# Altium PCB 2015_FDP_PCB.PcbDoc (part 2 of 3)
Units mil, origin at the board's own origin, x right, y up, seen from the top; angles counter-clockwise.
Board outline 4330.71 x 8858.27 mil, 4 copper layers (1-TOP, 2-GND, 3-SIGNAL, 4-BOT); 297 components, 233 nets, 1163 pads, 448 vias.
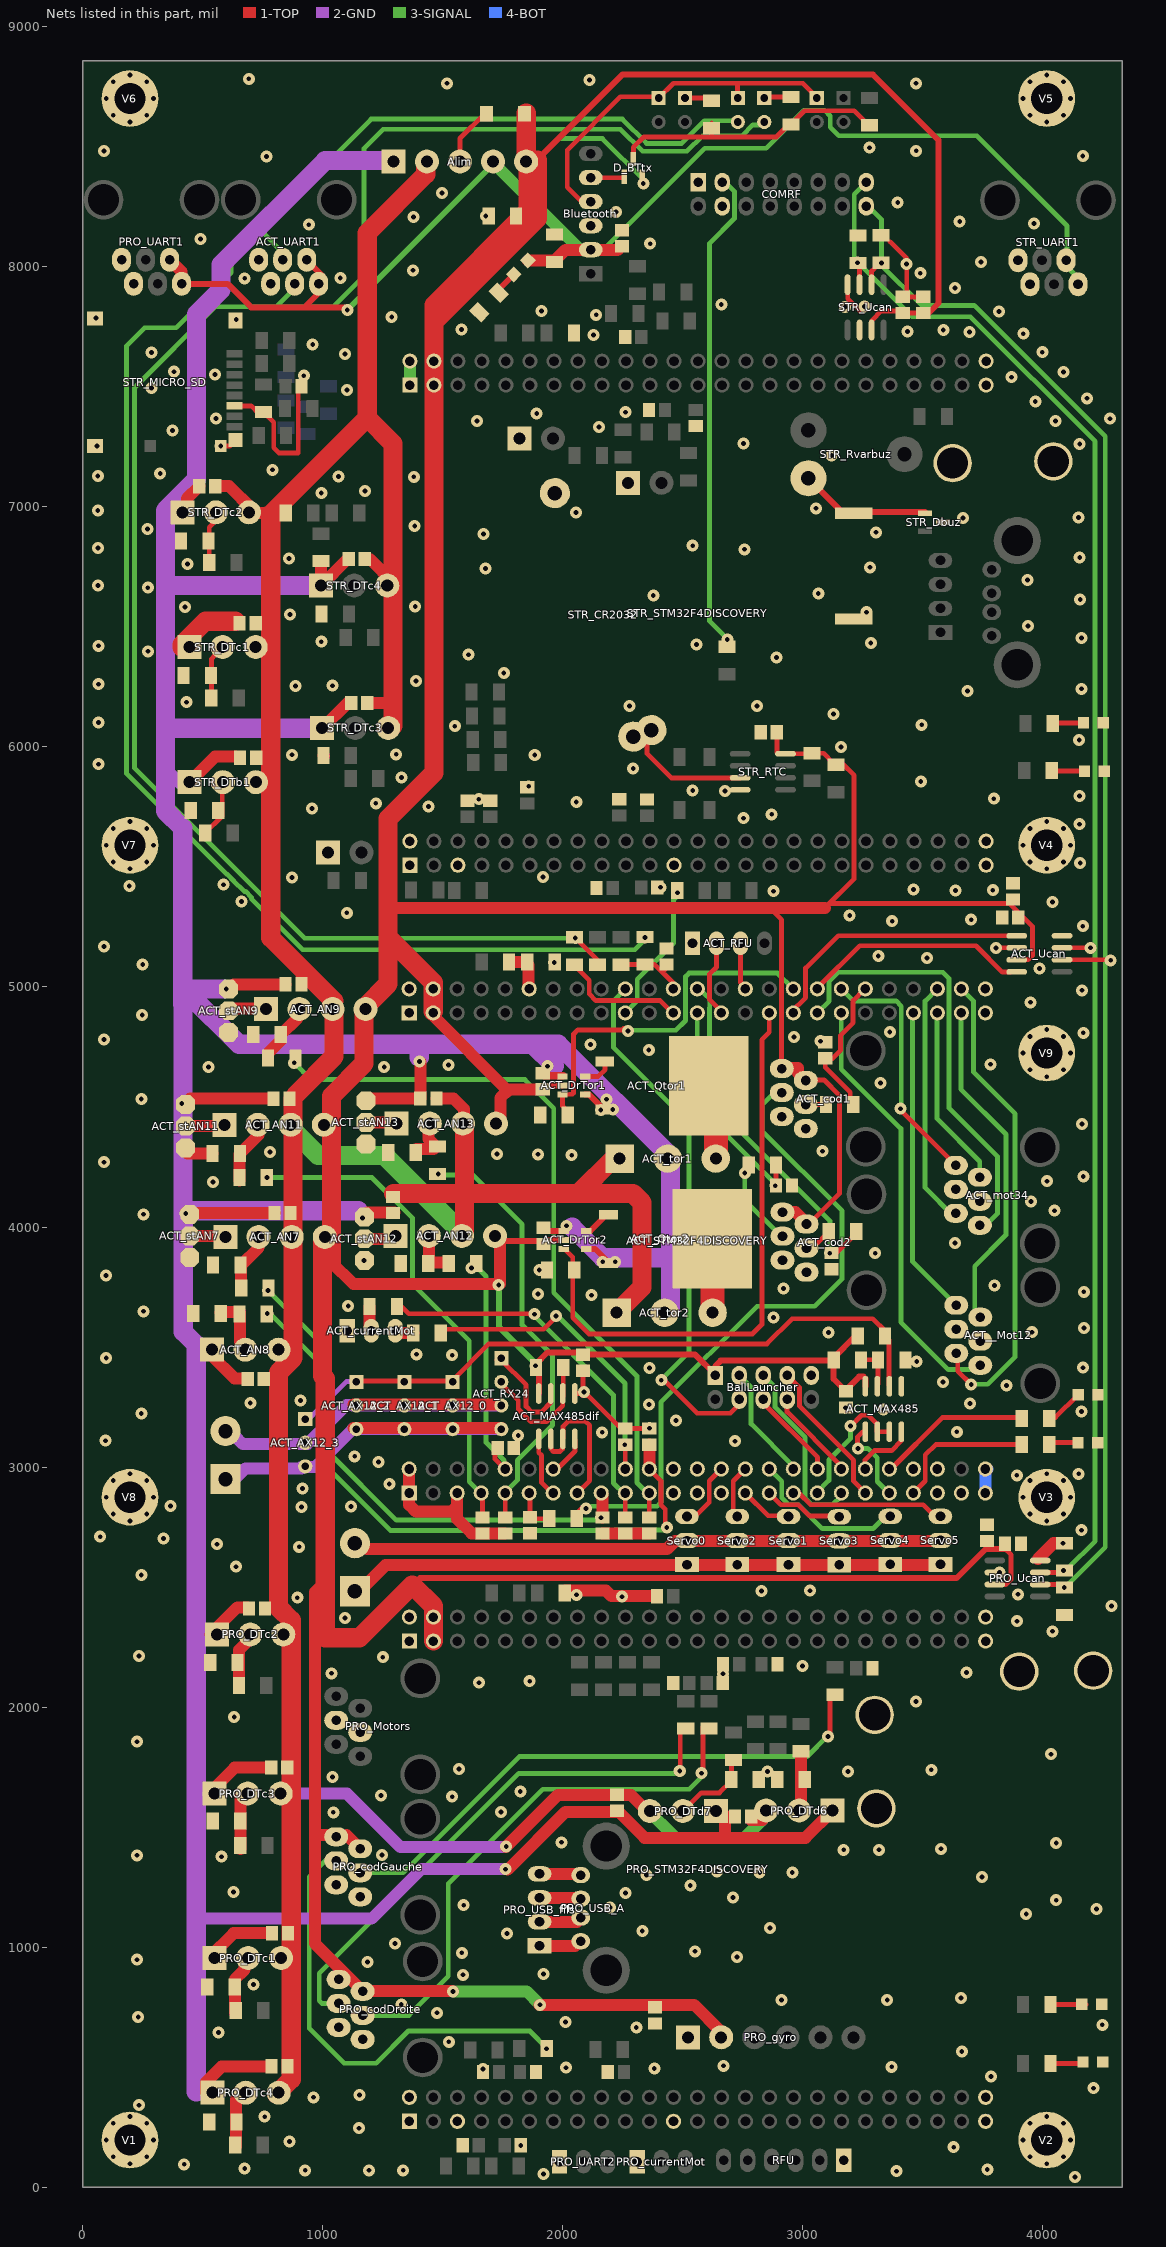
[diagram p4: the nets of this part, all layers, seen from the top]

## Via types
v1: diameter 50, hole 20, 1-TOP to 4-BOT, 448 vias

## Nets (pads, with @x,y where several pads share a name; then routed paths per layer and width w, separated by ;. In a path a pad name is that pad's centre, name@x,y a point inside that pad or via, vN(x,y) a via of type N, cw(c..) or ccw(c..) an arc to the next point about the centre after c; other vN are vias at no path point) (continued)
5V: ACT_AN7.4 ACT_AN9.4 ACT_AN11.4 ACT_AN12.4 ACT_AN13.4 ACT_CdCan1.2 ACT_CdCan2.2 ACT_CdDrTor1.1 ACT_CdDrTor2.1 ACT_CdMax485.2 ACT_CdMax485dif.2 ACT_cod1.1 ACT_cod1.2 ACT_cod2.1 ACT_cod2.2 ACT_DrTor1.2 ACT_DrTor2.2 ACT_MAX485.8 ACT_MAX485dif.8 ACT_Rmax485B+.2 ACT_RpuMAX485.2 ACT_RpuMax485dif.2 ACT_STM32F4DISCOVERY.53 ACT_STM32F4DISCOVERY.54 ACT_Ucan.3 Alim.5 BallLauncher.1 Cd_5V.2 D_BTtx.2 Dtransil.2 PRO_CdCan1.2 PRO_CdCan2.2 PRO_CdGyro.2 PRO_codDroite.1 PRO_codDroite.2 PRO_codGauche.1 PRO_codGauche.2 PRO_gyro.2 PRO_STM32F4DISCOVERY.53 PRO_STM32F4DISCOVERY.54 PRO_Ucan.3 STR_Cd_RTC.1 STR_CdCan1.2 STR_CdCan2.2 STR_Rscl.2 STR_Rsda.2 STR_RTC.8 STR_STM32F4DISCOVERY.53 STR_STM32F4DISCOVERY.54 STR_Ucan.3 | length 28483.8
  1-TOP w20: 2861,5329 2911,5279 2911,4662 ACT_cod1.1@2911,4661 ; STR_RTC.8@2891.46,5975.54 STR_Cd_RTC.1@2891.46,6061 ; STR_RTC.8@2927.49,5971 STR_Rscl.2@3033,5971 ; ACT_cod1.2@3008,4618 ACT_cod1.2@3011.5,4621.5 ; ACT_cod1.2@3010,4612.39 3088.61,4612.39 3152,4549 3152,4139 3031,4018 ACT_cod2.2@3027,4014 ; STR_Rscl.2@3038,5973.09 3085.91,5973.09 STR_Rsda.2@3127,5932 ; STR_Rsda.2@3165,5929 3213,5881 3213,5450 3092,5329 3111,5348 3860,5348 3956,5252 3956,5131 3939,5114 ACT_Ucan.3@3918,5114 ; STR_Ucan.3@3288,7777 3327,7816 3389,7816 3397.46,7807.54 STR_CdCan1.2@3416,7807.54 STR_CdCan2.2@3501,7807.54 ; PRO_Ucan.3@3803,2510 3845,2510 3867,2532 3867,2634 PRO_CdCan1.2@3837,2664
  1-TOP w25: 1372,2508 1374,2508 ; 1376,2508 1405,2537 3640,2537 3762,2659 PRO_CdCan1.2@3846,2659 ; ACT_AN12.4@1743,3941 1937,3941 1942,3946 ACT_DrTor2.2@2003.76,3946 ; ACT_RpuMax485dif.2@1891,3433 1936,3478 2074.46,3478 ACT_CdMax485dif.2@2084,3468.46 2551.54,3468.46 BallLauncher.1@2630,3390 ; Alim.5@1893,8445 2248,8800 3292,8800 3565,8527 3565,7848 STR_CdCan2.2@3521,7804 ; ACT_MAX485dif.8@1900,3306.49 ACT_RpuMax485dif.2@1900,3418 ; ACT_CdDrTor1.1@1933,4573 1950.01,4590.01 ACT_DrTor1.2@1998.76,4590.01 ; BallLauncher.1@2635,3382 2635,3421 2657,3443 ACT_Rmax485B+.2@3127.91,3443 ; ACT_Rmax485B+.2@3127.91,3450.91 ACT_Rmax485B+.2@3127.91,3447 ; ACT_CdMax485.2@3180,3315 3127.91,3367.09 ACT_Rmax485B+.2@3127.91,3443 ; ACT_CdMax485.2@3184,3327 3234,3377 3252,3377 3260,3369 ACT_MAX485.8@3260,3336.49 ; ACT_RpuMAX485.2@3219,3547 3127.91,3455.91 ACT_Rmax485B+.2@3127.91,3447 ; ACT_Rmax485B+.2@3127.91,3443 ACT_Rmax485B+.2@3127.91,3447
  1-TOP w50: 981,1467 PRO_codGauche.1@1056,1467 ; 1004,2516 967,2479 967,1015.39 PRO_codDroite.2@1166,816.39 1167.61,818 v1@1541,818 ; 1036,3854 1127,3763 1739,3763 ACT_AN12.4@1739,3960 ; PRO_codGauche.1@1099.39,1467 PRO_codGauche.2@1156,1410.39 ; 1272,5329 2861,5329 3092,5329 ; ACT_STM32F4DISCOVERY.53@1455.5,4884.48 1770.02,4568.02 ; ACT_AN13.4@1740,4431 1740,4538 1770.02,4568.02 ; 1774,4572 1770.02,4568.02 ; v1@1903,760 v1(1905,760) 2547,760 PRO_gyro.2@2661,646 ; ACT_CdDrTor1.1@1916.13,4573.87 1783.13,4573.87 1771.53,4566.49 1770.02,4568.02 ; ACT_cod1.1@2911,4662 2980,4662 ACT_cod1.2@2980,4642 ; ACT_cod2.1@2915,4062 2970,4062 3014,4018 ACT_cod2.2@3031,4018 ; ACT_cod1.2@3008,4614 ACT_cod1.2@3010,4614
  1-TOP w80: ACT_AN7.4@999.01,3960 999.01,3379.01 1010,3368.02 1010,2289 1153,2289 1372,2508 ; 1036,3854 1036,4545 1172.01,4681.01 1172.01,4911.01 ACT_AN9.4@1179.99,4911.01 ; ACT_AN9.4@1178,4918 1272,5012 ; 1374,2508 1461,2421 PRO_STM32F4DISCOVERY.54@1461,2375 PRO_STM32F4DISCOVERY.53@1461,2275 ; ACT_STM32F4DISCOVERY.53@1460,4899 ACT_STM32F4DISCOVERY.54@1460,4992 1460,5019 1272,5207 1272,5012 ; 1463,7771 1893,8201 Alim.5@1893,8445 ; Alim.5@1847.18,8438 Dtransil.2@1847.18,8640.18 ; Alim.5@1855,8400 1855,8232 1463,7840 STR_STM32F4DISCOVERY.54@1463,7607 STR_STM32F4DISCOVERY.53@1463,7507 1463,5892 1272,5701 1272,5329 1272,5012
  3-SIGNAL w20: Alim.5@1880,8439 1885,8439 1980,8534 2165,8534 v1@2337,8362
  3-SIGNAL w25: v1@1735,3755 1735,3583 v1@1887,3431
  3-SIGNAL w50: v1(1543,816) 1849,816 v1(1905,760)
  other v1: 1886,3422 1733,3758 2335,8347
5V_PERM: ACT_UART1.1 ACT_UART1.2 Alim.4 Bluetooth.2 Cd_BT_1.2 Cd_BT_2.2 D_5Vp.1 PRO_UART1.1 PRO_UART1.2 STR_UART1.1 STR_UART1.2 | length 5525.4
  1-TOP w25: PRO_UART1.1@412,7929 604,7929 702,7831 924,7831 ; ACT_UART1.2@941,8019 998,7962 998,7905 924,7831 ; v1@1101,7831 924,7831
  1-TOP w50: PRO_UART1.2@362.39,8029 412,7979.39 PRO_UART1.1@412,7929 ; D_5Vp.1@1854.23,8026.23 Cd_BT_1.2@1951.77,8026.23 ; Cd_BT_1.2@1968,8027.91 2010.09,8070 2228,8070 Cd_BT_2.2@2237,8079
  3-SIGNAL w20: Bluetooth.2@2116,8071 2168,8071 2591,8494 2847,8494 3004,8651 3091,8651 3114,8628 3114,8582 3150,8546 3725,8546 4100,8171 4100,8000 STR_UART1.1@4148,7952
  3-SIGNAL w25: v1(1102,7820) 1706,8424 Alim.4@1706,8427
  3-SIGNAL w50: Alim.4@1729,8414 Bluetooth.2@2070,8073
  4-BOT w50: Alim.4@1729,8414 Alim.4@1729,8431
5V_SERVOS: 5V_servos.2 Servo0.2 Servo1.2 Servo2.2 Servo3.2 Servo4.2 Servo5.2 | length 2458.2
  1-TOP w50: 5V_servos.2@1136,2682 1161,2682 1184,2659 2434,2659 2467,2692 Servo5.2@3571,2692
12V: 12V.2 ACT_AX12_0.2 ACT_AX12_1.2 ACT_AX12_2.2 ACT_AX12_3.2 ACT_RX24.3 | length 1775.5
  1-TOP w50: ACT_AX12_2.2@1128,3261.15 ACT_RX24.3@1739,3261.15
  2-GND w50: 12V.2@644.5,3118.5 667,3096 936,3096 1098,3258 ACT_AX12_2.2@1120,3258 ; ACT_AX12_2.2@1124,3257.57 ACT_RX24.3@1736.57,3257.57
24V: ACT_AN7.3 ACT_AN8.3 ACT_AN9.3 ACT_AN11.3 ACT_AN12.3 ACT_AN13.3 ACT_CdAN7.2 ACT_CdAN8.2 ACT_CdAN9.2 ACT_CdAN11.2 ACT_CdAN12.2 ACT_CdAN13.2 ACT_tor1.1 ACT_tor2.1 Alim.2 PRO_CdDtc1.2 PRO_CdDtc2.2 PRO_CdDtc3.2 PRO_CdDtc4.2 PRO_CdDtd6.2 PRO_CdDtd7.2 PRO_DTc1.3 PRO_DTc2.3 PRO_DTc3.3 PRO_DTc4.3 PRO_DTd6.3 PRO_DTd7.3 STR_CdDtb1.2 STR_CdDtc1.2 STR_CdDtc2.2 STR_CdDtc3.2 STR_CdDtc4.2 STR_DTb1.3 STR_DTc1.3 STR_DTc2.3 STR_DTc3.3 STR_DTc4.3 STR_mes24+.2 | length 16126.7
  1-TOP w50: STR_CdDtc2.2@552.46,7086 610,7086 STR_DTc2.3@705,6991 ; STR_DTc2.3@740,6974 STR_mes24+.2@845.91,6974 ; STR_CdDtc4.2@1175.46,6783 1195,6783 1293,6685 1294,6684 STR_DTc4.3@1294,6672 ; STR_CdDtc3.2@1185.46,6183 1265,6183 1293,6155 1301,6147 ; ACT_CdAN13.2@1473.46,4536 1544,4536 1588,4492 ACT_AN13.3@1588,4438 ; v1@1763.5,1418.5 1980,1635 2283,1635 2337,1581 PRO_DTd7.3@2344,1581 ; PRO_CdDtd6.2@2784.46,1531 PRO_DTd6.3@2832,1531
  1-TOP w80: PRO_DTc4.3@808,389 869,450 869,2362 816,2415 816,3394 822,3400 ; 834,3412 822,3400 ; ACT_CdAN11.2@876.46,4534 876.46,3454.46 822,3400 ; 888,4551.5 1047,4710.5 ACT_AN9.3@1047,4911.01 ; ACT_AN9.3@1047,4941 783,5205 783,6969 1185,7371 ; STR_DTc3.3@1293,6088 1293,6155 STR_DTc4.3@1293,6672 ; STR_DTc4.3@1293,6679 1293,6685 1293,7263 1185,7371 ; ACT_CdAN12.2@1296,4140 1590,4140 ; Alim.2@1429,8435 1429,8385 1185,8141 1185,7371 ; ACT_AN12.3@1590,3968 1590,4140 ; ACT_AN13.3@1590,4431 1590,4140 ; ACT_tor1.1@2216,4291 2065,4140 ; ACT_tor2.1@2224,3643 2330,3749 2330,4102 2292,4140 2065,4140 ; 1590,4140 2065,4140
  2-GND w50: PRO_DTc3.3@824.6,1640.01 1100.99,1640.01 1324,1417 v1@1755,1417
  3-SIGNAL w50: PRO_DTd7.3@2344,1581 2470,1455 2756,1455 PRO_DTd6.3@2832,1531
  3-SIGNAL w80: ACT_AN11.3@853,4426 981,4298 1257,4298 ACT_AN12.3@1588,3967
  other v1: 1764,1419
ACT_PA1_CODGB: ACT_Ccod1A.2 ACT_RCod1A.1 ACT_STM32F4DISCOVERY.11 | length 170.4
  1-TOP w20: ACT_Ccod1A.2@1863,2791.46 ACT_STM32F4DISCOVERY.11@1863,2888 ; ACT_Ccod1A.2@1870,2785 ACT_RCod1A.1@1943.91,2785
ACT_PA2_MAX485DIF_TX: ACT_MAX485dif.4 ACT_STM32F4DISCOVERY.14 | length 168.1
  1-TOP w20: ACT_STM32F4DISCOVERY.14@1960,2992 1976,2992 2051,3067 ACT_MAX485dif.4@2051,3113
ACT_PA3_MAX485DIF_RX: ACT_MAX485dif.1 ACT_STM32F4DISCOVERY.13 | length 254
  1-TOP w20: ACT_MAX485dif.1@1900,3117.51 1900,3060 1911.5,3048.5 1911.5,2935.5 ACT_STM32F4DISCOVERY.13@1959,2888
ACT_PA5_MAX485DIF_SENS: ACT_MAX485dif.2 ACT_MAX485dif.3 ACT_STM32F4DISCOVERY.15 | length 621.4
  1-TOP w20: ACT_MAX485dif.2@1950,3117.51 1950,3076 1961,3065 1988,3065 ACT_MAX485dif.3@1999,3076 ; 2000,3074 ACT_MAX485dif.3@2000,3117.51 ; ACT_MAX485dif.3@2001,3121 2001,3170 2022,3191 2094,3191 2111.5,3173.5 2111.5,2943.5 ACT_STM32F4DISCOVERY.15@2060,2892
ACT_PA7_ADC7: ACT_CfAn7.2 ACT_RfAn7.1 ACT_STM32F4DISCOVERY.17 | length 2166.5
  1-TOP w25: ACT_CfAn7.2@2157.46,2798 ACT_CfAn7.2@2165,2790.46
  1-TOP w50: ACT_CfAn7.2@2165,2790.46 ACT_STM32F4DISCOVERY.17@2165,2888
  3-SIGNAL w20: v1@773,3745 773,3725 783,3725 1019,3489 1019,3067 1307,2779 2144,2779 v1@2164,2799
  other v1: 2159,2789 772,3736
ACT_PA8_SENS1: ACT__Mot12.1 ACT_STM32F4DISCOVERY.93 | length 1297.4
  3-SIGNAL w20: ACT_STM32F4DISCOVERY.93@3457,4896 3457,3856 ACT__Mot12.1@3639,3674
ACT_PA15_CODGA: ACT_Ccod1B.2 ACT_RCod1B.1 ACT_STM32F4DISCOVERY.90 | length 600.5
  1-TOP w20: ACT_RCod1B.1@3197,4518 3197,4561 3093,4665 ACT_Ccod1B.2@3093,4702.54 3123.54,4702.54 3157,4736 3157,4799 3209,4851 3209,4943 ACT_STM32F4DISCOVERY.90@3256,4990
ACT_PB0_ADC8: ACT_CfAn8.2 ACT_RfAn8.1 ACT_STM32F4DISCOVERY.22 | length 2653.1
  1-TOP w20: ACT_STM32F4DISCOVERY.22@2360,2992 2408.5,2943.5 2408.5,2843.5 2427,2825 v1@2427,2752
  1-TOP w50: ACT_STM32F4DISCOVERY.22@2360,2992 2362,2994 2362,3093.54 ACT_CfAn8.2@2360,3093.54
  3-SIGNAL w20: v1@771,3643 777,3643 986,3434 986,3032 1282,2736 2215,2736 2217,2738 v1@2440,2738
  other v1: 2433,2749 769,3640
ACT_PB1_ADC9: ACT_CfAn9.2 ACT_RfAn9.1 ACT_STM32F4DISCOVERY.21 | length 3028.9
  1-TOP w20: ACT_CfAn9.2@2360,2792 ACT_STM32F4DISCOVERY.21@2360,2892
  3-SIGNAL w20: v1(881,4684) 951,4614 1842,4614 1962,4494 1962,3726 2309,3379 2309,2935 ACT_STM32F4DISCOVERY.21@2356,2888
ACT_PB2_RFU: ACT_STM32F4DISCOVERY.24
ACT_PB4_CODDA: ACT_Ccod2A.2 ACT_RCod2A.1 ACT_STM32F4DISCOVERY.75 | length 918.5
  1-TOP w20: ACT_Ccod2A.2@2888.09,4179.09 ACT_RCod2A.1@2888.09,4258
  3-SIGNAL w20: ACT_STM32F4DISCOVERY.75@2560,4892 2560,4505 v1@2880,4185
  other v1: 2885,4172
ACT_PB5_CODDB: ACT_Ccod2B.2 ACT_RCod2B.1 ACT_STM32F4DISCOVERY.76 | length 1460.4
  1-TOP w20: ACT_Ccod2B.2@3119,3891.46 3139.46,3891.46 ACT_RCod2B.1@3218,3970
  3-SIGNAL w20: ACT_STM32F4DISCOVERY.76@2571,4991 2591.5,4970.5 2612,4950 2612,4913.08 2611.5,4912.58 2611.5,4526.5 2876,4262 3113,4025 v1@3113,3887
  other v1: 3112,3891
ACT_PB6_U1TX: ACT_RsU1tx.2 ACT_STM32F4DISCOVERY.73 | length 529
  1-TOP w20: ACT_RsU1tx.2@2049,5076 ACT_RsU1tx.2@2049,5092.91 ; ACT_RsU1tx.2@2053,5084 2110,5027 2110,4971 2138,4943 2406,4943 ACT_STM32F4DISCOVERY.73@2454,4895
ACT_PB7_U1RX: ACT_Cu1rx.2 ACT_RpuU1rx.1 ACT_Rsu1rx.1 ACT_STM32F4DISCOVERY.74 | length 299.3
  1-TOP w20: ACT_RpuU1rx.1@2242,5092.91 2383.09,5092.91 2461,5015 ACT_STM32F4DISCOVERY.74@2461,4996 ; ACT_Cu1rx.2@2419.46,5068 ACT_Cu1rx.2@2440,5088.54
ACT_PB8_I_AM_READY: ACT_STM32F4DISCOVERY.69 STR_RactRdy.2 | length 580.7
  3-SIGNAL w20: ACT_STM32F4DISCOVERY.69@2260,4892 2310,4942 2310,5032 2461,5183 2461,5364 v1@2479,5382
  other v1: 2478,5392
ACT_PB9_BALLLAUNCHER1: ACT_STM32F4DISCOVERY.70 BallLauncher.4 | length 2242.5
  1-TOP w20: v1@2411.5,3371.5 2559,3224 2698,3224 2735,3261 BallLauncher.4@2735,3282
  3-SIGNAL w20: ACT_STM32F4DISCOVERY.70@2255,4986 2211.5,4942.5 2211.5,4747.5 2526,4433 2526,3481 v1@2407,3362
  other v1: 2410,3362
ACT_PB10_BALLLAUNCHER2: ACT_STM32F4DISCOVERY.34 BallLauncher.3 | length 472.6
  3-SIGNAL w20: BallLauncher.3@2734,3383 BallLauncher.3@2735,3382 2784.09,3332.91 2784.09,3179.91 ACT_STM32F4DISCOVERY.34@2960,3004
ACT_PB11_MAX485_SENS: ACT_MAX485.2 ACT_MAX485.3 ACT_STM32F4DISCOVERY.35 | length 558.8
  1-TOP w20: v1@3199,3171 3244,3216 3272,3216 3309,3179 3309,3148.51 ACT_MAX485.2@3310,3147.51 ACT_MAX485.3@3356.51,3147.51
  3-SIGNAL w20: ACT_STM32F4DISCOVERY.35@3057,2893 3108.5,2944.5 3108.5,3029.5 3198,3119 v1(3198,3171)
ACT_PB12_BALLLAUNCHER3: ACT_STM32F4DISCOVERY.36 BallLauncher.6 | length 376.6
  1-TOP w20: BallLauncher.6@2835,3282 2835,3267 3061,3041 ACT_STM32F4DISCOVERY.36@3061,2999
ACT_PB13_BALLLAUNCHER4: ACT_STM32F4DISCOVERY.37 BallLauncher.5 | length 777.2
  3-SIGNAL w20: BallLauncher.5@2835,3382 2884.09,3332.91 2884.09,3248.91 3009,3124 3009,2870 3036,2843 3123,2843 3159,2879 ACT_STM32F4DISCOVERY.37@3159,2896
ACT_PB14_BALLLAUNCHER5: ACT_STM32F4DISCOVERY.38 BallLauncher.8 | length 384.6
  1-TOP w20: BallLauncher.8@2934,3283 2934,3230 3160,3004 ACT_STM32F4DISCOVERY.38@3160,2992
ACT_PB15_BALLLAUNCHER6: ACT_STM32F4DISCOVERY.39 BallLauncher.7 | length 624.6
  1-TOP w20: BallLauncher.7@2935,3382 2985.91,3331.09 2985.91,3253.09 3211,3028 3211,2941 ACT_STM32F4DISCOVERY.39@3260,2892
ACT_PC1_ADC11: ACT_CfAn11.2 ACT_RfAn11.1 ACT_STM32F4DISCOVERY.7 | length 2014.7
  1-TOP w20: ACT_CfAn11.2@1665,2790.46 ACT_STM32F4DISCOVERY.7@1665,2874
  3-SIGNAL w20: v1(768,4206) 1205,4206 1374,4037 1374,3762 1610,3526 1610,2939 ACT_STM32F4DISCOVERY.7@1652,2897
ACT_PC2_ADC12: ACT_CfAn12.2 ACT_RfAn12.1 ACT_STM32F4DISCOVERY.10 | length 1003.3
  1-TOP w20: ACT_CfAn12.2@1717.54,3093 1717.54,3033.46 ACT_STM32F4DISCOVERY.10@1754,2997
  3-SIGNAL w20: v1@1629,3846 1680,3795 1680,3103 1755,3028 ACT_STM32F4DISCOVERY.10@1755,3006
  other v1: 1620,3829
ACT_PC3_ADC13: ACT_CfAn13.2 ACT_RfAn13.1 ACT_STM32F4DISCOVERY.9 | length 1780
  1-TOP w20: ACT_CfAn13.2@1760,2790.46 ACT_STM32F4DISCOVERY.9@1760,2892 ACT_STM32F4DISCOVERY.9@1760,2895
  3-SIGNAL w20: v1(1481,4221) 1485,4217 1624,4217 1830,4011 1830,3592 1957,3465 1957,3174 1811,3028 1811,3024 1812,3023 ; ACT_STM32F4DISCOVERY.9@1768,2903 1811.5,2946.5 1811.5,3023
ACT_PC4_ADC14: ACT_CfAn14.2 ACT_RfAn14.1 ACT_STM32F4DISCOVERY.20 | length 1264.3
  1-TOP w20: ACT_RfAn14.1@1487,3574 1920,3574 v1@1962,3616 ; ACT_STM32F4DISCOVERY.20@2260,2992 ACT_CfAn14.2@2260,3093.54
  3-SIGNAL w20: v1@1969.5,3638.5 2259,3349 v1@2259,3088
  other v1: 2258,3093 1971,3630
ACT_PC5_ADC15: ACT_CfAn15.2 ACT_RfAn15.1 ACT_STM32F4DISCOVERY.19 | length 1577.9
  1-TOP w20: ACT_RfAn15.1@1323,3675 1359,3639 1861,3639 v1@1873,3627 ; ACT_CfAn15.2@2260,2794 ACT_STM32F4DISCOVERY.19@2260,2892
  3-SIGNAL w20: v1@1871,3640 2211,3300 2211,2933 ACT_STM32F4DISCOVERY.19@2255,2889
  other v1: 1882,3637
ACT_PC6_PWM1: ACT__Mot12.2 ACT_STM32F4DISCOVERY.97 | length 1360.7
  3-SIGNAL w20: ACT_STM32F4DISCOVERY.97@3658,4886 3658,4574 3846,4386 3846,3967 3716,3837 ACT__Mot12.2@3716,3657
ACT_PC7_PWM2: ACT__Mot12.5 ACT_STM32F4DISCOVERY.98 | length 2009.2
  1-TOP w20: ACT__Mot12.5@3645,3477 3645,3400 v1(3701,3344)
  3-SIGNAL w20: ACT_STM32F4DISCOVERY.98@3660,4992 3711,4941 3711,4645 3884,4472 3884,3459 3770,3345 v1@3704,3345
ACT_PC8_PWM3: ACT_mot34.2 ACT_STM32F4DISCOVERY.95 | length 762.3
  3-SIGNAL w20: ACT_STM32F4DISCOVERY.95@3559,4896 3559,4451 3737,4273 ACT_mot34.2@3737,4207.39
ACT_PC9_PWM4: ACT_mot34.5 ACT_STM32F4DISCOVERY.96 | length 1013.2
  3-SIGNAL w20: ACT_STM32F4DISCOVERY.96@3560,4992 3509,4941 3509,4164 ACT_mot34.5@3625,4048
ACT_PC10_SENS2: ACT__Mot12.6 ACT_STM32F4DISCOVERY.87 | length 1807.7
  3-SIGNAL w20: ACT_STM32F4DISCOVERY.87@3160,4892 3160,4658 3408,4410 3408,3604 3606,3406 3726,3406 ACT__Mot12.6@3738,3418
ACT_PC11_SENS3: ACT_mot34.1 ACT_STM32F4DISCOVERY.88 | length 1042.5
  1-TOP w20: v1@3402.5,4491.5 ACT_mot34.1@3637,4257
  3-SIGNAL w20: ACT_STM32F4DISCOVERY.88@3160,4992 3210,4942 3388,4942 3410,4920 v1@3410,4489
  other v1: 3406,4493
ACT_PC12_SENS4: ACT_mot34.6 ACT_STM32F4DISCOVERY.85 | length 1833.9
  3-SIGNAL w20: ACT_STM32F4DISCOVERY.85@3060,4892 3109,4941 3109,5023 3147,5061 3583,5061 3609,5035 3609,4495 3810,4294 3810,4055 3762,4007 ACT_mot34.6@3737,4007
ACT_PC13_WHO_AM_I: ACT_RdwnWAmI.2 ACT_RupWAmI.1 ACT_STM32F4DISCOVERY.62 | length 183.5
  1-TOP w50: ACT_RupWAmI.1@1776.09,5103 1845,5103 1856,5092 ACT_STM32F4DISCOVERY.62@1856,4993
ACT_PD0_CANRX: ACT_STM32F4DISCOVERY.86 ACT_Ucan.4 | length 939.5
  1-TOP w20: ACT_STM32F4DISCOVERY.86@3067,5002 3237,5172 3721,5172 3831,5062 ACT_Ucan.4@3865,5062 ; ACT_Ucan.4@3865,5063 ACT_Ucan.4@3890.51,5063
ACT_PD1_CANTX: ACT_STM32F4DISCOVERY.83 ACT_Ucan.1 | length 1144.7
  1-TOP w20: ACT_STM32F4DISCOVERY.83@2950,4894 3011,4955 3011,5079.02 ; 3012,5078 3147,5213 ACT_Ucan.1@3890.51,5213
ACT_PD2_TOR1: ACT_DrTor1.3 ACT_RpdDrTor1.2 ACT_STM32F4DISCOVERY.84 | length 1525.5
  1-TOP w20: ACT_DrTor1.3@1999,4555 1999,4504 ACT_RpdDrTor1.2@2020.09,4482.91 ; ACT_DrTor1.3@2003,4553 2040,4553 2045,4558 2045,4804 2062,4821 2246,4821 2253,4828 v1@2264,4817
  3-SIGNAL w20: v1@2272,4820 2471,4820 2511,4860 2511,5043 2526,5058 2894,5058 ACT_STM32F4DISCOVERY.84@2960,4992
  other v1: 2272,4817
ACT_PD3_TOR2: ACT_DrTor2.3 ACT_RpdDrTor2.2 ACT_STM32F4DISCOVERY.81 | length 2442.2
  1-TOP w20: ACT_DrTor2.3@2007,3905 2011,3905 2041,3875 2041,3622 2108,3555 2790,3555 2829,3594 2829,4780 2860,4811 ACT_STM32F4DISCOVERY.81@2860,4892
ACT_PD6_RFU: ACT_RFU.3 ACT_STM32F4DISCOVERY.80 | length 194.1
  1-TOP w20: ACT_RFU.3@2740,5182 2740,5019 ACT_STM32F4DISCOVERY.80@2762,4997
ACT_PD7_RFU: ACT_RFU.2 ACT_STM32F4DISCOVERY.77 | length 311.6
  1-TOP w20: ACT_RFU.2@2640,5182 2640,5083 2611.5,5054.5 2611.5,4946.5 ACT_STM32F4DISCOVERY.77@2657,4901
ACT_PD8_MAX485_TX: ACT_MAX485.4 ACT_STM32F4DISCOVERY.40 | length 252.6
  1-TOP w20: ACT_STM32F4DISCOVERY.40@3258,3000 3258,3029 3298,3069 3370,3069 3410,3109 ACT_MAX485.4@3410,3147.51
ACT_PD9_MAX485_RX: ACT_MAX485.1 ACT_STM32F4DISCOVERY.41 | length 351.4
  1-TOP w20: v1@3228,3080 3228,3126 3249.51,3147.51 ACT_MAX485.1@3260,3147.51
  3-SIGNAL w20: v1@3230,3078 3270,3078 3310,3038 3310,2940 3358,2892 ACT_STM32F4DISCOVERY.41@3360,2892
  other v1: 3229,3078
ACT_PD10_ERROR: ACT_Rderror.1 ACT_STM32F4DISCOVERY.42 | length 623.6
  1-TOP w20: ACT_STM32F4DISCOVERY.42@3367,2992 3581,3206 ACT_Rderror.1@3902,3206
ACT_PD11_SELFTEST: ACT_Rdselftest.1 ACT_STM32F4DISCOVERY.43 | length 602.5
  1-TOP w20: ACT_STM32F4DISCOVERY.43@3460,2892 3510,2942 3510,3051 3553,3094 ACT_Rdselftest.1@3915,3094